# KiCad board 5wy19_converted.kicad_pcb
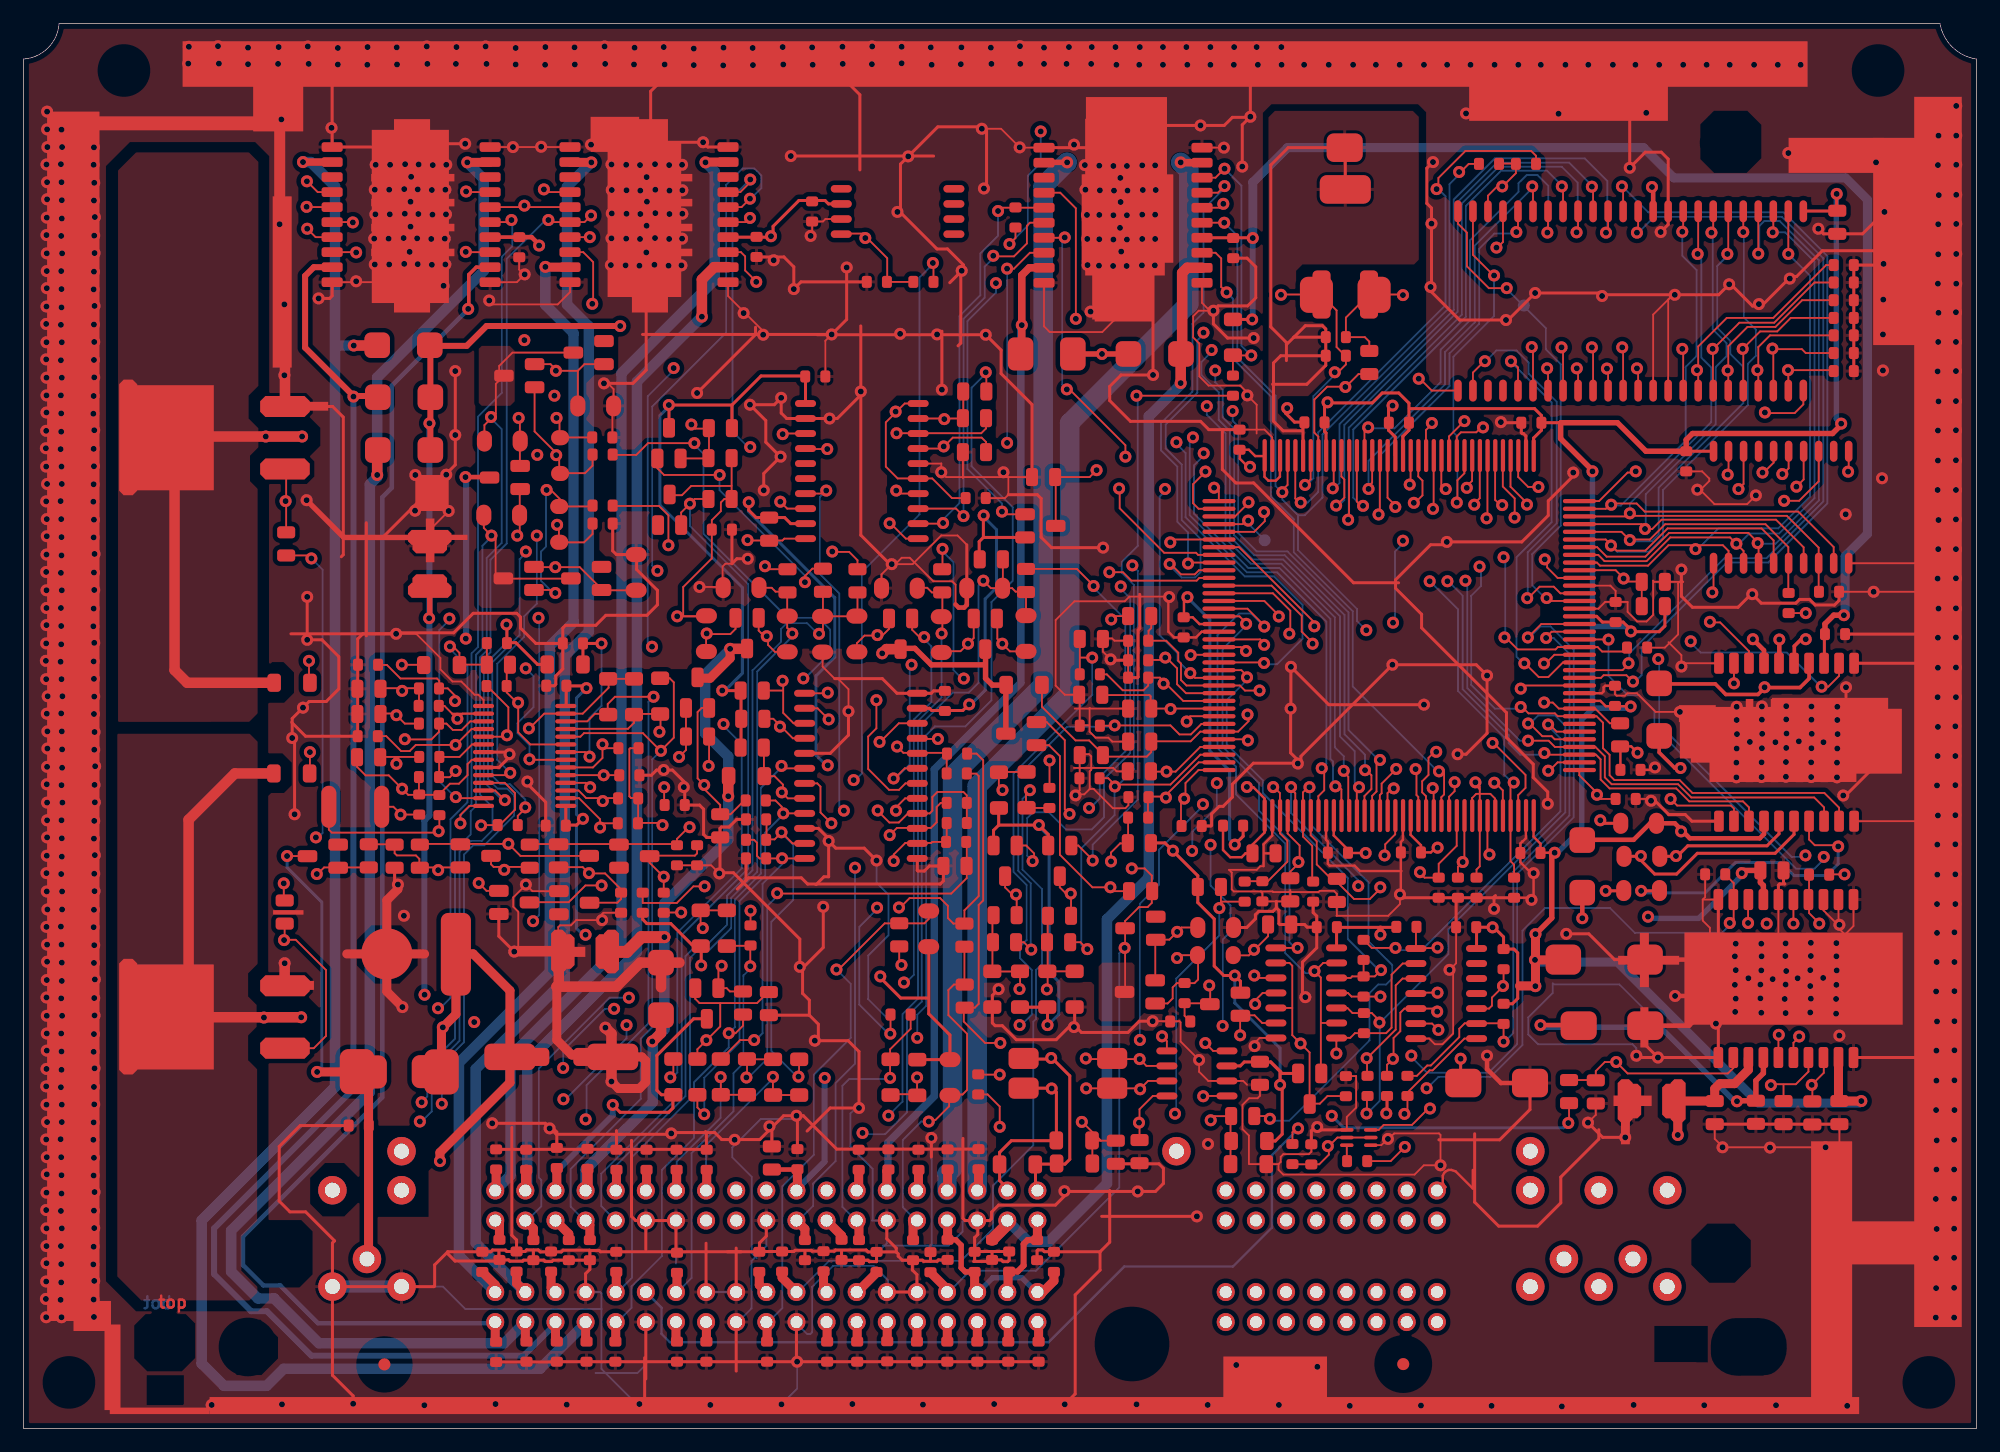
[diagram p0: board, top side]
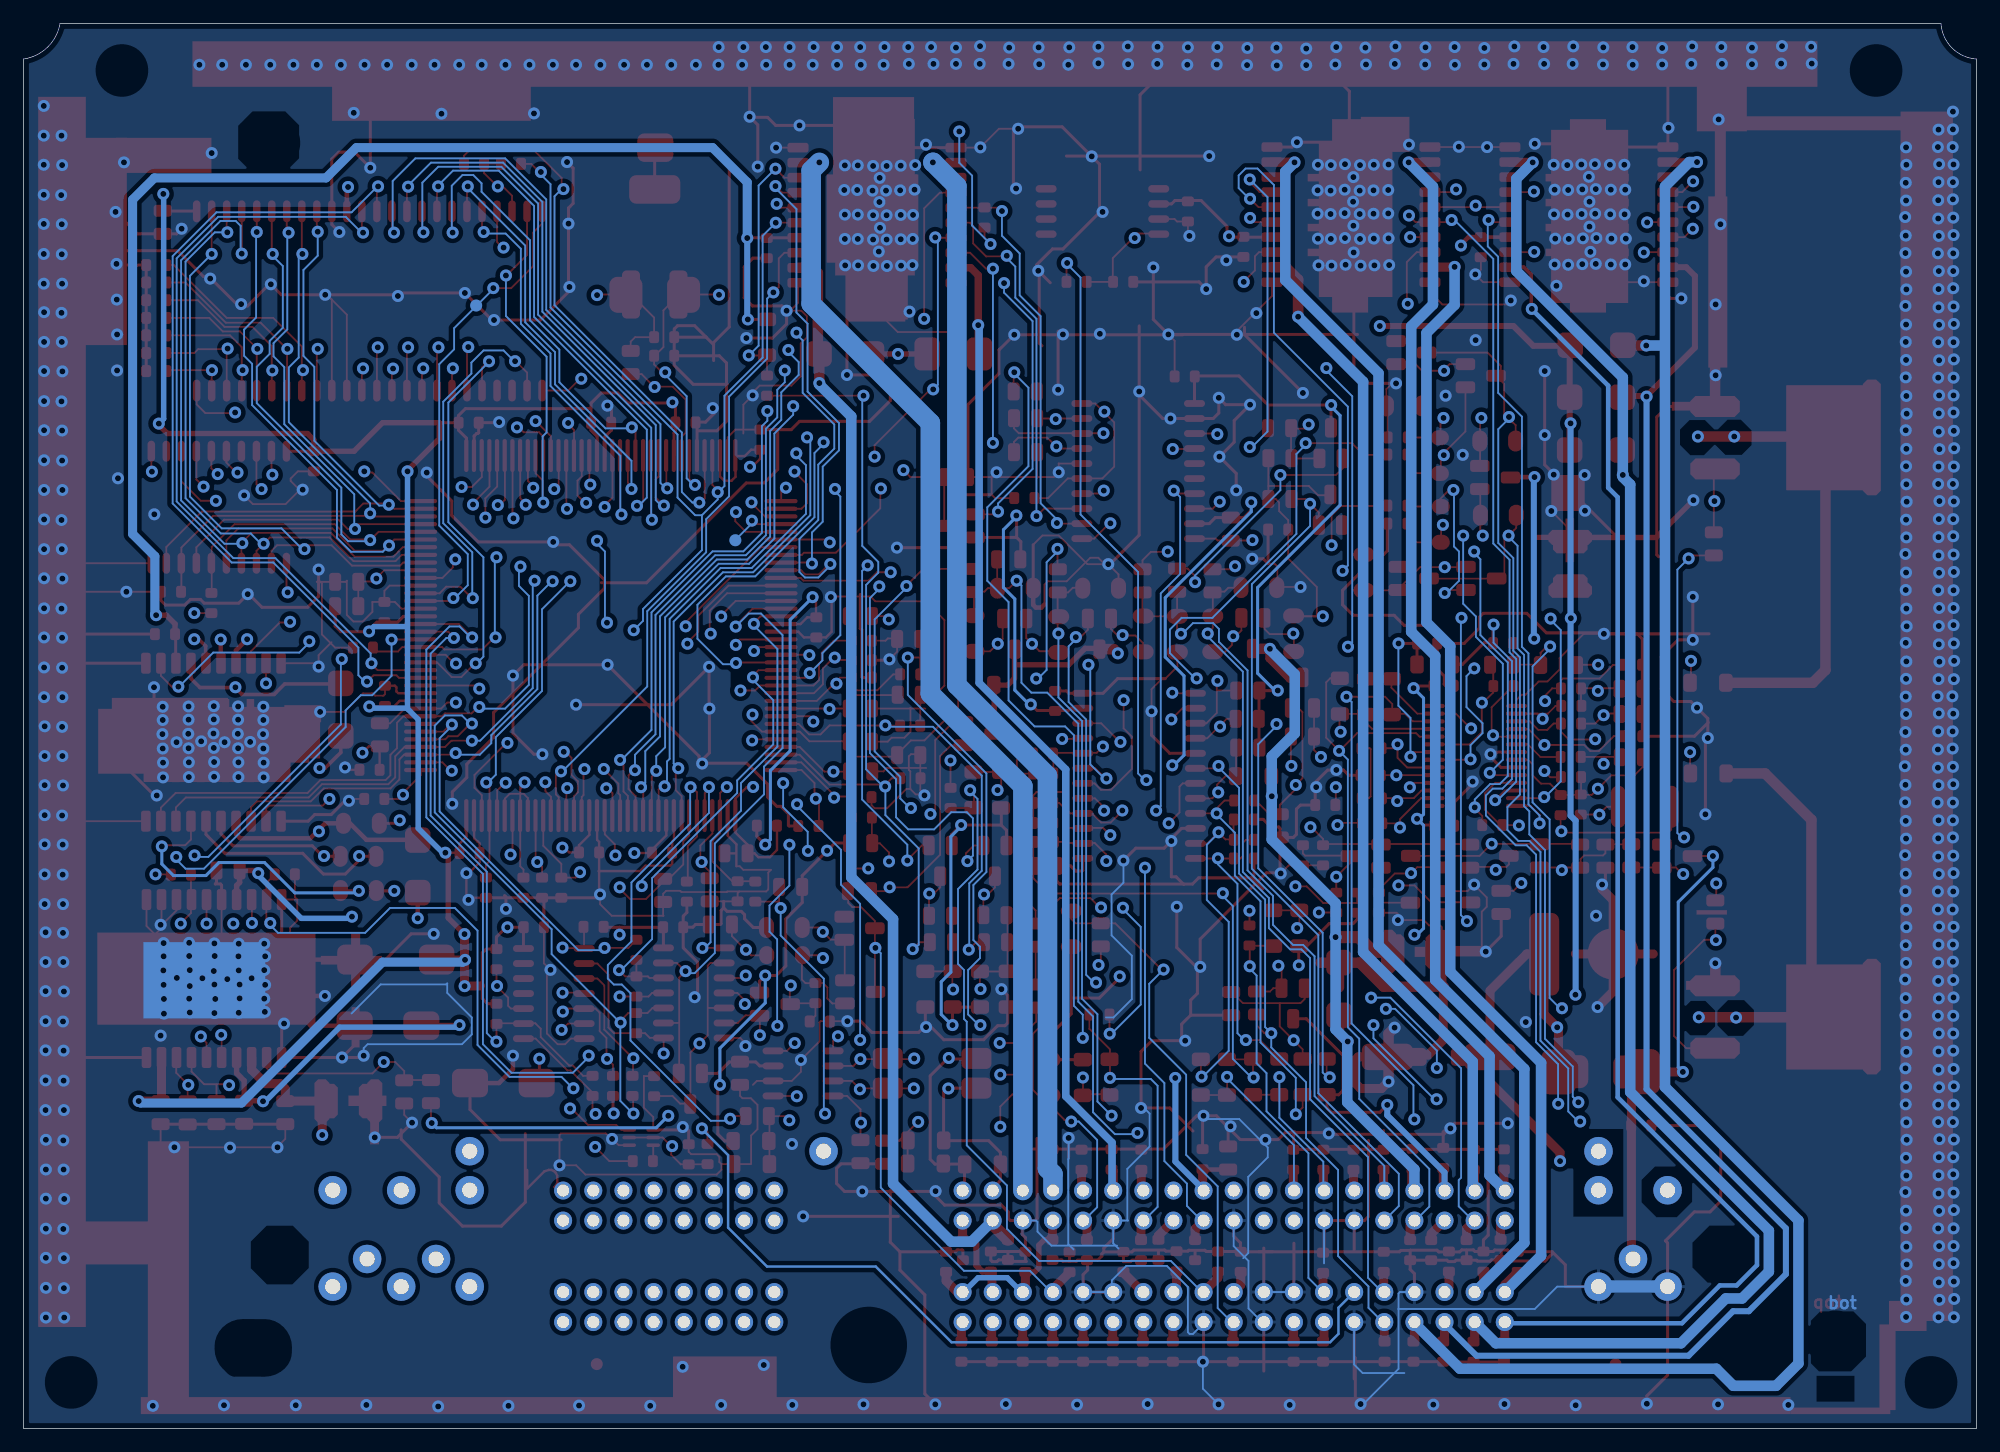
[diagram p1: board, bottom side, seen from below]

Outline 165.13 x 118.82 mm; copper layers: TopLayer, MidLayer1, MidLayer2, BottomLayer. Coordinates in mm from the lower left corner of the outline.
Outline path: 0,115.83 0,0 165.13,0 165.13,115.83 arc(163.11,116.83) 162.05,118.82 2.99,118.82 arc(2.06,116.76) 0,115.83

## Placement (name value [footprint] x y rotation side)
C1  NC  [29]  66.67 103.78 0 top
C2  NC  [29]  83.87 101.57 180 top
C3  100nf  [28]  153.37 103 180 top
C4  100nf  [29]  61.98 100.79 0 top
C5  100nf  [29]  41.91 99.06 180 top
C6  100nf  [29]  102.29 98.98 180 top
C7  NC  [29]  75.23 96.98 90 top
C8  NC  [29]  71.3 96.98 90 top
C9  100nf  [29]  66.09 88.98 90 top
C10  NC  [29]  102.26 89.05 0 top
C11  100nf  [29]  110.01 85.09 270 top
C12  100nf  [29]  128.35 85.06 270 top
C13  100nf  [29]  117.14 85.06 270 top
C14  100nf  [29]  102.82 84.48 0 top
C15  100nf  [29]  140.59 80.95 180 top
C16  100nf  [29]  79.65 78.69 90 top
C17  100nf  [29]  58.19 76.02 90 top
C18  NC  [19]  34.34 71.6 180 top
C19  100nf  [29]  134.62 68.2 180 top
C20  100nf  [29]  98.09 68.61 0 top
C21  100nf  [29]  152.32 67.18 90 top
C22  100nf  [29#2]  93.4 66.62 90 top
C23  NC  [29]  45.59 66.4 90 top
C24  NC  [29]  135.59 66.04 90 top
C25  100nf  [29#2]  93.4 64.97 90 top
C26  NC  [29]  29.97 64.59 270 top
C27  100nf  [29]  93.4 63.5 90 top
C28  NC  [29]  44.2 62.81 90 top
C29  NC  [28]  28.22 62.56 270 top
C30  100nf  [29]  134.57 62.81 0 top
C31  100nf  [29]  77.9 60.68 180 top
C32  100nf  [28]  93.4 60.88 270 top
C33  NC  [28]  28.22 60.43 270 top
C34  NC  [29]  89.31 59.44 90 top
C35  NC  [29]  29.95 58.55 270 top
C36  100nf  [28]  93.4 58.09 270 top
C37  NC  [29]  50.29 57.53 90 top
C38  100nf  [28]  93.37 55.58 270 top
C39  100nf  [29]  136.73 55.7 270 top
C40  NC  [29]  50.37 55.25 90 top
C41  NC  [29]  89.28 54.99 90 top
C42  100nf  [29#2]  95.12 53.39 270 top
C43  NC  [29]  50.27 53.29 90 top
C44  100nf  [29]  136.32 53.24 270 top
C45  NC  [29]  61.06 53.11 90 top
C46  NC  [29]  54.2 52.73 90 top
C47  NC  [28]  58.9 49.99 0 top
C48  100nf  [29]  61.09 51.51 90 top
C49  NC  [29]  50.24 51.18 90 top
C50  NC  [29]  44.15 50.98 90 top
C51  100nf  [29]  99.62 50.95 270 top
C52  100nf  [29]  61.09 49.78 90 top
C53  100nf  [28]  31.37 49.38 180 top
C54  100nf  [29]  56.95 49.33 0 top
C55  100nf  [28]  103.91 48.64 270 top
C56  100nf  [29]  118.16 48.72 270 top
C57  100nf  [29]  111.99 48.69 270 top
C58  100nf  [29]  128.27 48.67 270 top
C59  100nf  [29]  61.09 48.21 90 top
C60  100nf  [28]  77.77 47.57 270 top
C61  100nF  [28]  146.86 47.19 270 top
C62  100nf  [28]  107.11 46.53 180 top
C63  100nf  [29]  126.03 46.58 0 top
C64  100nf  [29]  122.86 46.58 0 top
C65  100nf  [29]  121.29 46.58 0 top
C66  100nf  [29]  119.66 46.58 0 top
C67  100nf  [28]  111.05 46.48 180 top
C68  100nf  [29#2]  104.75 46.28 0 top
C69  NC  [29]  109.04 46.25 0 top
C70  100nf  [29]  122.83 42.39 270 top
C71  100nf  [29]  111.05 42.39 270 top
C72  NC  [19]  49 40.34 270 top
C73  68uF  [26]  130.2 39.65 180 top
C74  100nf  [28]  63.02 36.91 180 top
C75  10uF  [25]  131.5 34.06 180 top
C76  33uF  [16]  43.31 31.42 180 top
C77  100nf  [28]  104.55 31.01 180 top
C78  10uF  [25]  121.74 29.21 180 top
C79  100nf  [29]  80.72 29.95 0 top
C80  100nF  [28]  132.94 29.44 180 top
C81  100nF  [19]  139.19 27.69 270 top
C82  100nF  [28]  146.48 27.71 180 top
C83  NC  [28]  153.54 27.69 180 top
C84  100nF  [28]  148.82 27.69 180 top
C85  100nF  [28]  143 27.69 180 top
C86  NC  [28]  102.11 26.42 270 top
C87  NC  [29]  29.19 25.61 270 top
C88  100nf  [28]  92.35 22.38 0 top
C89  100nf  [28]  63.27 21.89 0 top
C90  100nf  [29]  45.08 22.02 180 top
C91  100nf  [29]  47.68 21.95 180 top
C92  100nf  [29]  80.75 21.92 180 top
C93  100nf  [29]  65.43 21.92 180 top
C94  100nf  [29]  78.13 21.89 180 top
C95  100nf  [29]  73.13 21.89 180 top
C96  100nf  [29]  39.95 21.89 180 top
C97  100nf  [29]  70.61 21.87 180 top
C98  NC  [29]  57.76 21.87 180 top
C99  NC  [29]  55.22 21.87 180 top
C100  100nf  [29]  52.67 21.87 180 top
C101  100nf  [29]  50.13 21.87 180 top
C102  100nf  [29]  42.5 21.87 180 top
C103  100nf  [29]  81.89 15.95 0 top
C104  100nf  [29]  78.13 15.95 0 top
C105  100nf  [29]  69.16 15.95 0 top
C106  100nf  [29]  40.23 15.95 0 top
C107  100nf  [29]  85.7 15.93 0 top
C108  100nf  [29]  75.21 15.93 0 top
C109  100nf  [29]  70.64 15.93 0 top
C110  100nf  [29]  66.07 15.93 0 top
C111  100nf  [29]  47.88 15.93 0 top
C112  100nf  [29]  46.1 15.93 0 top
C113  100nf  [29]  43.1 15.93 0 top
C114  100nf  [29]  67.64 14.99 0 top
C115  100nf  [29]  83.34 14.96 0 top
C116  100nf  [29]  64.14 14.96 0 top
C117  100nf  [29]  44.6 14.96 0 top
C118  100nf  [29]  41.68 14.96 0 top
C119  100nf  [29]  87.12 14.94 0 top
C120  100nf  [29]  80.42 14.94 0 top
C121  100nf  [29]  62.2 14.94 0 top
C122  100nf  [29]  50.11 14.94 0 top
C123  100nf  [29]  38.79 14.94 0 top
C124  100nf  [29]  72.12 14.93 0 top
C125  100nf  [29]  76.68 14.91 0 top
C126  100nf  [29]  55.25 14.86 0 top
C127  100nf  [29]  73.02 7.37 0 top
C128  100nf  [29]  85.83 7.34 0 top
C129  100nf  [29]  83.26 7.34 0 top
C130  100nf  [29]  80.64 7.34 0 top
C131  100nf  [29]  78.11 7.34 0 top
C132  100nf  [29]  75.54 7.34 0 top
C133  100nf  [29]  70.48 7.34 0 top
C134  100nf  [29]  67.95 7.34 0 top
C135  100nf  [29]  62.86 7.34 0 top
C136  100nf  [29]  57.73 7.34 0 top
C137  100nf  [29]  55.25 7.34 0 top
C138  100nf  [29]  50.04 7.34 0 top
C139  100nf  [29]  47.6 7.34 0 top
C140  100nf  [29]  45.08 7.34 0 top
C141  100nf  [29]  42.52 7.34 0 top
C142  100nf  [29]  39.95 7.32 0 top
C143  100nf  [29]  110.11 92.3 90 top
C144  100nf  [29]  110.11 90.73 90 top
D1  US1G  [18#2]  29.9 91.62 180 top
D2  US1G  [23]  84.3 90.88 180 top
D3  NC  [18]  93.42 90.88 180 top
D4  NC  [18]  29.95 87.22 180 top
D5  1N4148  [20]  45.36 80.77 0 top
D6  US1G  [18#2]  29.95 82.75 180 top
D7  1N4148  [20]  45.29 77.98 180 top
D8  US1G  [18#2]  138.3 58.57 270 top
D9  NC  [22]  25.81 52.58 0 top
D10  NC  [18]  131.8 49.76 90 top
D11  1N4148  [20]  99.26 40.03 270 top
D12  NC  [18]  53.9 34.95 270 top
D13  US1G  [15]  34.72 30.18 180 top
IC1  C167  [2]  101.08 78.44 180 top
IC2  AM29F400BB-90SC  [4]  121.29 87.78 180 top
IC3  74HCT574  [5]  142.9 73.18 180 top
IC4  HIP0045  [3]  143.36 51.36 270 top
IC5  TP1C8101DW  [10]  66.12 86.69 180 top
IC6  MC33385  [3]  86.28 108.33 180 top
IC7  A2C20219  [3]  143.31 31.37 270 top
IC8  MC33385  [3]  26.09 108.38 180 top
IC9  ATM46C3  [10#2]  66.04 62.18 180 top
IC10  MC33385  [3]  46.2 108.38 180 top
IC11  PCA82C250  [6]  101.75 28.12 180 top
J1  Conn_02x41_Row_Letter_First_Shielded  [1]  119.51 20.12 180 top
J1#2  Conn_02x41_Row_Letter_First_Shielded  [14]  36.55 40.11 180 top
L1  B82793  [11]  92.05 28.78 180 top
NOREF  -  [unnamed]  30.51 5.41 180 top
NOREF#2  -  [unnamed#3]  104.94 75.12 180 top
NOREF#3  -  [unnamed#2]  126.86 94.98 180 top
NOREF#4  -  [unnamed#4]  116.66 5.44 180 top
Q1  BZX84Cxx  [17]  49.07 90.02 180 top
Q2  BC846  [17]  43.21 88.06 180 top
Q3  ISL9V5036S3ST  [13]  22.1 81.15 180 top
Q4  NC  [17]  53.59 82.04 90 top
Q5  BAW56  [17]  41.99 79.45 180 top
Q6  BAW56  [17]  53.64 76.4 90 top
Q7  BCR183  [17]  84.68 77.32 0 top
Q8  BZX84Cxx  [17]  48.87 70.92 180 top
Q9  BC846  [17]  43.15 70.92 180 top
Q10  NC  [17]  62.15 68.55 270 top
Q11  NC  [17]  82.3 68.5 270 top
Q12  NC  [17]  75.13 68.5 270 top
Q13  NC  [17]  56.01 60.93 90 top
Q14  BAW56  [17]  85.65 57.79 180 top
Q15  BCR183  [17]  88.6 49.3 270 top
Q16  BCR183  [17]  83.97 49.3 270 top
Q17  BC846  [17]  45.24 49.4 0 top
Q18  BC856  [17]  36.93 49.4 0 top
Q19  BAW56  [17]  50.34 49.38 0 top
Q20  BAW56  [17]  26.59 47.42 180 top
Q21  Unknown NFET  [17]  40.18 45.47 0 top
Q22  BAW56  [17]  45.26 45.44 0 top
Q23  BZX84Cxx  [17]  95.73 41.33 180 top
Q24  ISL9V5036S3ST  [13]  22.1 32.16 180 top
Q25  BC846  [17]  95.68 35.94 180 top
Q26  BAW56  [17]  58.75 37.24 270 top
Q27  BCR183  [17]  102.9 34.9 180 top
Q28  BCR183  [17]  109.73 30.02 270 top
R1  0R  [29]  126.19 106.96 90 top
R2  NC  [29]  123.06 106.96 90 top
R3  NC  [29]  153.06 98.4 90 top
R4  NC  [29]  153.06 96.93 90 top
R5  3.9k  [29]  153.06 95.43 90 top
R6  3.9k  [29]  153.06 93.93 90 top
R7  NC  [27]  102.26 90.78 180 top
R8  3.9k  [29]  153.06 92.46 90 top
R10  1k  [28]  113.79 89.18 0 top
R11  NC  [29]  153.06 90.96 90 top
R13  NC  [29]  153.06 89.43 90 top
R14  100k  [28]  81.41 87.71 90 top
R15  390R  [21]  46.86 86.49 0 top
R16  100k  [28]  81.38 85.45 90 top
R17  0R  [28]  57.94 84.61 270 top
R18  10k  [21]  38.96 83.52 0 top
R19  1.3k  [29]  48.08 83.82 90 top
R20  100k  [28]  81.38 82.58 90 top
R21  10k  [29]  48.11 82.37 90 top
R22  3.9k  [28]  57.91 82.07 270 top
R23  1k  [28]  87.22 80.47 90 top
R24  NC  [28]  57.91 78.61 270 top
R25  10k  [29]  48.11 78.05 90 top
R26  10k  [21]  38.91 77.24 0 top
R27  100k  [28]  63.04 77.04 180 top
R28  1.3k  [29]  48.11 76.53 90 top
R29  1k  [28]  22.2 75.79 180 top
R30  390R  [21]  51.79 70.89 90 top
R31  NC  [28]  82.8 73.51 90 top
R32  NC  [28]  67.59 72.72 180 top
R33  30k  [28]  84.76 70.74 0 top
R34  30k  [28]  77.67 72.67 180 top
R35  NC  [28]  70.51 72.67 180 top
R36  30k  [28]  64.59 72.67 180 top
R37  1k  [28]  136.83 71.6 270 top
R38  10k  [21]  59.16 71.12 0 top
R39  10k  [21]  82.78 71.07 180 top
R40  10k  [21]  75.57 71.07 180 top
R41  3.9k  [29]  153.52 70.76 270 top
R42  NC  [29]  149.25 70.66 0 top
R43  NC  [28]  136.83 69.55 270 top
R44  30k  [28#2]  93.4 68.71 270 top
R45  NC  [21]  84.76 65.73 90 top
R46  NC  [21]  57.73 68.73 270 top
R47  NC  [21]  70.46 68.71 270 top
R48  NC  [21]  64.57 68.71 270 top
R49  NC  [21]  67.56 68.68 270 top
R50  NC  [21]  77.6 68.66 270 top
R51  51.1k  [28]  89.31 66.78 270 top
R52  NC  [29]  39.17 66.42 90 top
R53  NC  [27]  44.27 64.62 90 top
R54  NC  [28]  39.17 64.59 270 top
R55  NC  [27]  33.83 64.57 90 top
R56  10k  [29]  89.31 63.78 90 top
R57  NC  [27]  53.82 63.45 0 top
R58  NC  [27]  51.61 63.4 0 top
R59  NC  [27]  49.43 63.4 0 top
R60  31.6k  [27]  24.21 63.07 270 top
R61  15k  [27]  83.08 62.89 90 top
R62  NC  [29]  39.14 62.79 90 top
R63  10k  [28]  60.63 62.41 270 top
R64  NC  [29]  33.43 62.59 90 top
R65  3.57k  [28]  89.26 62.05 270 top
R66  NC  [29]  33.4 61.11 90 top
R67  10k  [28]  60.68 60.02 270 top
R68  100R  [28]  135 57.68 0 top
R69  NC  [29]  33.43 59.61 90 top
R70  NC  [28]  56.01 58.52 270 top
R71  22.1k  [28]  60.63 57.58 270 top
R72  3.57k  [28]  89.31 56.95 270 top
R73  NC  [29]  79.78 57.07 270 top
R74  NC  [28]  28.19 56.77 270 top
R75  NC  [29]  33.45 56.79 90 top
R76  31.6k  [27]  24.18 55.4 270 top
R77  412R  [27]  84.81 52.5 180 top
R78  412R  [27]  82.47 52.48 180 top
R79  31.6k  [27]  59.61 55.17 90 top
R80  2.2k  [29]  79.76 55.4 270 top
R81  NC  [29]  33.43 55.09 90 top
R82  22k  [29]  86.74 52.48 180 top
R83  NC  [29]  33.45 51.92 180 top
R84  NC  [29]  35.15 51.87 180 top
R85  47k?  [29]  79.76 52.91 270 top
R86  10k  [29]  95.1 51.66 270 top
R87  10k  [21]  135.05 51.18 0 top
R88  150R  [29]  79.76 51.21 270 top
R89  NC  [29]  41.78 51.03 270 top
R90  510R  [29]  103.12 50.98 270 top
R91  100k  [28]  93.37 49.5 270 top
R92  47k?  [29]  79.71 49.61 270 top
R93  3.9k  [28]  29.18 49.4 180 top
R94  30k  [28]  42.8 49.38 180 top
R95  100k  [28]  33.5 49.38 180 top
R96  220k  [29]  55.25 49.33 0 top
R97  NC  [21]  135.33 48.39 0 top
R98  0R  [29]  143.89 46.86 270 top
R99  1k  [29]  152.68 46.84 270 top
R100  10k  [29]  103.25 46.25 0 top
R101  330k  [28]  99.29 45.8 270 top
R102  NC  [21]  135.31 45.49 0 top
R103  100k  [28]  93.47 45.44 270 top
R104  10k  [29]  54.13 45.31 0 top
R105  10k  [29]  52.35 45.31 0 top
R106  220k  [29]  50.52 45.31 0 top
R107  1k  [28]  22.07 44.65 180 top
R108  2.49k  [21]  76.53 40.74 90 top
R109  421R  [27]  59.46 43.82 0 top
R110  421R  [27]  57.25 43.82 0 top
R111  5.62k  [28]  82.02 43.41 270 top
R112  5.62k  [28]  86.61 43.36 270 top
R113  3.57k  [28]  105.23 42.62 270 top
R114  39R  [21]  99.29 42.37 0 top
R115  3.9k  [28]  74.04 42.72 180 top
R116  NC  [28]  79.55 42.7 180 top
R117  22k  [29#2]  61.47 40.84 180 top
R118  10k  [29]  117.78 42.42 270 top
R119  3.9k  [28]  86.54 41.12 270 top
R120  3.9k  [28]  81.97 41.12 270 top
R121  NC  [29]  113.31 39.62 180 top
R122  10k  [29]  125.15 38.84 180 top
R123  47.5k  [27]  88.87 35.64 180 top
R124  511k  [27]  86.56 35.64 180 top
R125  511k  [27]  84.25 35.64 180 top
R126  47.5k  [27]  81.92 35.64 180 top
R127  NC  [29]  113.31 36.53 180 top
R128  10k  [29]  98.17 35.97 180 top
R129  3.9k  [28]  79.58 37.54 180 top
R130  100k  [28]  60.83 36.96 180 top
R131  10k  [29]  125.15 34.21 180 top
R132  10k  [29]  113.33 33.43 180 top
R133  22k  [29#2]  75.01 35 270 top
R134  10k  [29]  96.95 34.42 90 top
R135  2.49k  [21]  78.33 28.17 90 top
R136  47.5k  [27]  61.16 28.22 180 top
R137  47.5k  [27]  58.95 28.22 180 top
R138  2k  [27]  56.97 28.22 180 top
R139  15k  [27]  54.94 28.22 180 top
R140  421R  [27]  73.3 28.19 180 top
R141  47.5k  [27]  65.58 28.19 180 top
R142  47.5k  [27]  63.37 28.19 180 top
R143  421R  [27]  75.57 28.17 180 top
R144  NC  [29]  117.02 28.12 180 top
R145  NC  [29]  115.29 28.12 180 top
R146  NC  [29]  113.64 28.12 180 top
R147  10k  [29]  111.81 28.09 180 top
R148  100k  [28]  130.68 29.46 180 top
R149  NC  [28]  151.26 27.66 180 top
R150  60.4R  [27]  90.35 24.36 270 top
R151  NC  [27]  105.13 24.31 270 top
R152  21.2k  [28]  94.36 22.43 0 top
R153  NC  [29]  107.29 24.05 0 top
R154  NC  [29]  108.89 24.03 0 top
R155  100k  [29]  75.67 21.87 180 top
R156  60.4R  [27]  90.37 22.4 270 top
R157  NC  [29]  113.61 22.61 270 top
R158  NC  [27]  105.08 22.35 270 top
R159  NC  [27]  85.55 22.33 270 top
U1  74HC08  [7]  117.73 40.59 180 top
U2  74HC32  [7]  105.89 40.64 180 top
U4  NC  [9]  69.14 104.85 180 top
U11  NC  [12]  45.85 52.65 180 top
U17  NC  [8]  113.92 23.95 180 top
Y1  Crystal  [24]  109.32 95.89 180 top

## Library data of the parts
C3-C6 C9 C11-C17 C19-C22 C25 C27 C30-C32 C36 C38 C39 C42 C44 C48 C51-C68 C70 C71 C74 C77 C79-C82 C84 C85 C88-C97 C100-C144 = -: Description: Unpolarized capacitor, small symbol; ki_fp_filters: C_*
C73 C75 C76 C78 = -: Description: Polarized capacitor; ki_fp_filters: CP_*
D1 D2 D6 D8 D13 = -: Datasheet: https://www.diodes.com/assets/Datasheets/ds16008.pdf; Description: 400V, 1A, General Purpose Rectifier Diode, SMA(DO-214AC); Sim.Device: D; Sim.Pins: 1=K 2=A; ki_fp_filters: D*SMA*
D5 D7 D11 = -: Datasheet: https://assets.nexperia.com/documents/data-sheet/1N4148_1N4448.pdf; Description: 100V 0.15A standard switching diode, DO-35; Sim.Device: D; Sim.Pins: 1=K 2=A; ki_fp_filters: D*DO?35*
IC2 = -: Datasheet: https://www.mouser.com/datasheet/2/380/AM29F400B_EOL_21505e8-9219.pdf; Description: 4-Mbit (512k x 8-bit / 256k x 16-bit) CMOS 5.0 Volt-only Boot Sector Flash Memory, SOP-44; ki_fp_filters: SO*13.*28.*P1.27mm*
IC3 = -: Datasheet: http://www.ti.com/lit/gpn/sn74HCT574; Description: 8-bit Register, 3-state outputs; ki_fp_filters: DIP?20*
J1 J1#2 = -: Description: "Generic shielded connector, double row, 02x41, row letter first pin numbering scheme (pin number consists of a letter for the row and a number for the pin index in this row. a1, ..., aN; b1, ..., bN), script generated"; ki_fp_filters: Connector*:*_2x??-1SH*
L1 = -: Description: Coupled inductor, small symbol; ki_fp_filters: Choke_* *Coil* Inductor_* L_*
Q1 Q8 Q23 = -: Datasheet: https://diotec.com/tl_files/diotec/files/pdf/datasheets/bzx84c2v4.pdf; Description: 300mW Zener Diode, SOT-23; ki_fp_filters: SOT?23*
Q2 Q9 Q17 Q25 = -: Datasheet: https://assets.nexperia.com/documents/data-sheet/BC846_SER.pdf; Description: 0.1A Ic, 65V Vce, NPN Transistor, SOT-23; ki_fp_filters: SOT?23*
Q3 Q24 = -: Description: N-IGBT transistor, gate/collector/emitter
Q7 Q15 Q16 Q27 Q28 = -: Datasheet: https://www.onsemi.com/pub/Collateral/BC808-D.pdf; Description: 0.8A Ic, 45V Vce, PNP Transistor, SOT-23; ki_fp_filters: SOT?23*
Q18 = -: Datasheet: https://www.onsemi.com/pub/Collateral/BC860-D.pdf; Description: 0.1A Ic, 65V Vce, PNP Transistor, SOT-23; ki_fp_filters: SOT?23*
Q21 = -: Datasheet: https://www.onsemi.com/pub/Collateral/NDS7002A-D.PDF; Description: 0.115A Id, 60V Vds, N-Channel MOSFET, SOT-23; ki_fp_filters: SOT?23*
R1 R5 R6 R8 R10 R14-R23 R25-R30 R33 R34 R36-R41 R44 R51 R56 R60 R61 R63 R65 R67 R68 R71 R72 R76-R80 R82 R85-R88 R90-R96 R98-R101 R103-R115 R117-R120 R122-R126 R128-R143 R147 R148 R150 R152 R155 R156 = -: Description: Resistor, small symbol; ki_fp_filters: R_*
Y1 = -: Description: Two pin crystal; ki_fp_filters: Crystal*

## Footprints (pads in the part's own frame, mm; a bottom-side part is the same pattern mirrored in y, then rotated)
1
  round 1.524 hole 1.016: 1(0,0) 2(2.551,0) 3(5.102,0) 4(7.653,0) 5(10.204,0) 6(12.754,0) 7(15.305,0) 8(17.856,0) 28(0,2.54) 29(2.551,2.54) 30(5.102,2.54) 31(7.653,2.54) 32(10.204,2.54) 33(12.754,2.54) 34(15.305,2.54) 35(17.856,2.54) 55(0,8.585) 56(2.551,8.585) 57(5.102,8.585) 58(7.653,8.585) 59(10.204,8.585) 60(12.754,8.585) 61(15.305,8.585) 62(17.856,8.585) 82(0,11.125) 83(2.551,11.125) 84(5.102,11.125) 85(7.653,11.125) 86(10.204,11.125) 87(12.754,11.125) 88(15.305,11.125) 89(17.856,11.125) a6(33.782,0) a7(36.329,0) a8(38.876,0) a9(41.423,0) a10(43.97,0) a11(46.517,0) a12(49.064,0) a13(51.611,0) a14(54.158,0) a15(56.705,0) a16(59.253,0) a17(61.8,0) a18(64.347,0) a19(66.894,0) a20(69.441,0) a21(71.988,0) a22(74.535,0) a23(77.082,0) a24(79.629,0) a25(33.782,2.54) a26(36.329,2.54) a27(38.876,2.54) a28(41.423,2.54) a29(43.97,2.54) a30(46.517,2.54) a31(49.064,2.54) a32(51.611,2.54) a33(54.158,2.54) a34(56.705,2.54) a35(59.253,2.54) a36(61.8,2.54) a37(64.347,2.54) a38(66.894,2.54) a39(69.441,2.54) a40(71.988,2.54) a41(74.535,2.54) b1(77.082,2.54) b2(79.629,2.54) b3(33.782,8.585) b4(36.329,8.585) b5(38.876,8.585) b6(41.423,8.585) b7(43.97,8.585) b8(46.517,8.585) b9(49.064,8.585) b10(51.611,8.585) b11(54.158,8.585) b12(56.705,8.585) b13(59.253,8.585) b14(61.8,8.585) b15(64.347,8.585) b16(66.894,8.585) b17(69.441,8.585) b18(71.988,8.585) b19(74.535,8.585) b20(77.082,8.585) b21(79.629,8.585) b22(33.782,11.125) b23(36.329,11.125) b24(38.876,11.125) b25(41.423,11.125) b26(43.97,11.125) b27(46.517,11.125) b28(49.064,11.125) b29(51.611,11.125) b30(54.158,11.125) b31(56.705,11.125) b32(59.253,11.125) b33(61.8,11.125) b34(64.347,11.125) b35(66.894,11.125) b36(69.441,11.125) b37(71.988,11.125) b38(74.535,11.125) b39(77.082,11.125) b40(79.629,11.125)
  round 2.413 hole 1.27: 111(87.554,-3.327) 115(-7.899,8.128) 116(-7.899,-0.025) 117(-7.899,-3.327) 118(-10.744,5.791) 119(-13.691,8.128) 120(-13.691,-0.025) 121(-16.573,5.791) 122(-19.482,8.128) 123(-19.482,-0.025) 124(22.022,-3.327) a1(93.396,8.128) a2(87.554,8.128) a3(90.475,5.791) a4(93.396,-0.025) a5(87.554,-0.025)
2
  oval 2.794x0.356 smd: 1(0,0) 2(0,0.65) 3(0,1.3) 4(0,1.95) 5(0,2.6) 6(0,3.25) 7(0,3.9) 8(0,4.55) 9(0,5.2) 10(0,5.85) 11(0,6.5) 12(0,7.15) 13(0,7.8) 14(0,8.45) 15(0,9.1) 16(0,9.75) 17(0,10.4) 18(0,11.05) 19(0,11.7) 20(0,12.35) 21(0,13) 22(0,13.65) 23(0,14.3) 24(0,14.95) 25(0,15.6) 26(0,16.25) 27(0,16.9) 28(0,17.55) 29(0,18.2) 30(0,18.85) 31(0,19.5) 32(0,20.15) 33(0,20.8) 34(0,21.45) 35(0,22.1) 36(0,22.75) 73(-30.48,22.75) 74(-30.48,22.1) 75(-30.48,21.45) 76(-30.48,20.8) 77(-30.48,20.15) 78(-30.48,19.5) 79(-30.48,18.85) 80(-30.48,18.2) 81(-30.48,17.55) 82(-30.48,16.9) 83(-30.48,16.25) 84(-30.48,15.6) 85(-30.48,14.95) 86(-30.48,14.3) 87(-30.48,13.65) 88(-30.48,13) 89(-30.48,12.35) 90(-30.48,11.7) 91(-30.48,11.05) 92(-30.48,10.4) 93(-30.48,9.75) 94(-30.48,9.1) 95(-30.48,8.45) 96(-30.48,7.8) 97(-30.48,7.15) 98(-30.48,6.5) 99(-30.48,5.85) 100(-30.48,5.2) 101(-30.48,4.55) 102(-30.48,3.9) 103(-30.48,3.25) 104(-30.48,2.6) 105(-30.48,1.95) 106(-30.48,1.3) 107(-30.48,0.65) 108(-30.48,0)
  oval 0.356x2.794 smd: 37(-3.865,26.602) 38(-4.515,26.602) 39(-5.165,26.602) 40(-5.815,26.602) 41(-6.465,26.602) 42(-7.115,26.602) 43(-7.765,26.602) 44(-8.415,26.602) 45(-9.065,26.602) 46(-9.715,26.602) 47(-10.365,26.602) 48(-11.015,26.602) 49(-11.665,26.602) 50(-12.315,26.602) 51(-12.965,26.602) 52(-13.615,26.602) 53(-14.265,26.602) 54(-14.915,26.602) 55(-15.565,26.602) 56(-16.215,26.602) 57(-16.865,26.602) 58(-17.515,26.602) 59(-18.165,26.602) 60(-18.815,26.602) 61(-19.465,26.602) 62(-20.115,26.602) 63(-20.765,26.602) 64(-21.415,26.602) 65(-22.065,26.602) 66(-22.715,26.602) 67(-23.365,26.602) 68(-24.015,26.602) 69(-24.665,26.602) 70(-25.315,26.602) 71(-25.965,26.602) 72(-26.615,26.602) 109(-26.615,-3.852) 110(-25.965,-3.852) 111(-25.315,-3.852) 112(-24.665,-3.852) 113(-24.015,-3.852) 114(-23.365,-3.852) 115(-22.715,-3.852) 116(-22.065,-3.852) 117(-21.415,-3.852) 118(-20.765,-3.852) 119(-20.115,-3.852) 120(-19.465,-3.852) 121(-18.815,-3.852) 122(-18.165,-3.852) 123(-17.515,-3.852) 124(-16.865,-3.852) 125(-16.215,-3.852) 126(-15.565,-3.852) 127(-14.915,-3.852) 128(-14.265,-3.852) 129(-13.615,-3.852) 130(-12.965,-3.852) 131(-12.315,-3.852) 132(-11.665,-3.852) 133(-11.015,-3.852) 134(-10.365,-3.852) 135(-9.715,-3.852) 136(-9.065,-3.852) 137(-8.415,-3.852) 138(-7.765,-3.852) 139(-7.115,-3.852) 140(-6.465,-3.852) 141(-5.815,-3.852) 142(-5.165,-3.852) 143(-4.515,-3.852) 144(-3.865,-3.852)